# Altium PCB c8t6第二版.PcbDoc
Units mil, origin at the board's own origin, x right, y up, seen from the top; angles counter-clockwise.
Board outline 1960.03 x 3201.64 mil, 2 copper layers (Top Layer, Bottom Layer); 49 components, 55 nets, 229 pads, 60 vias.
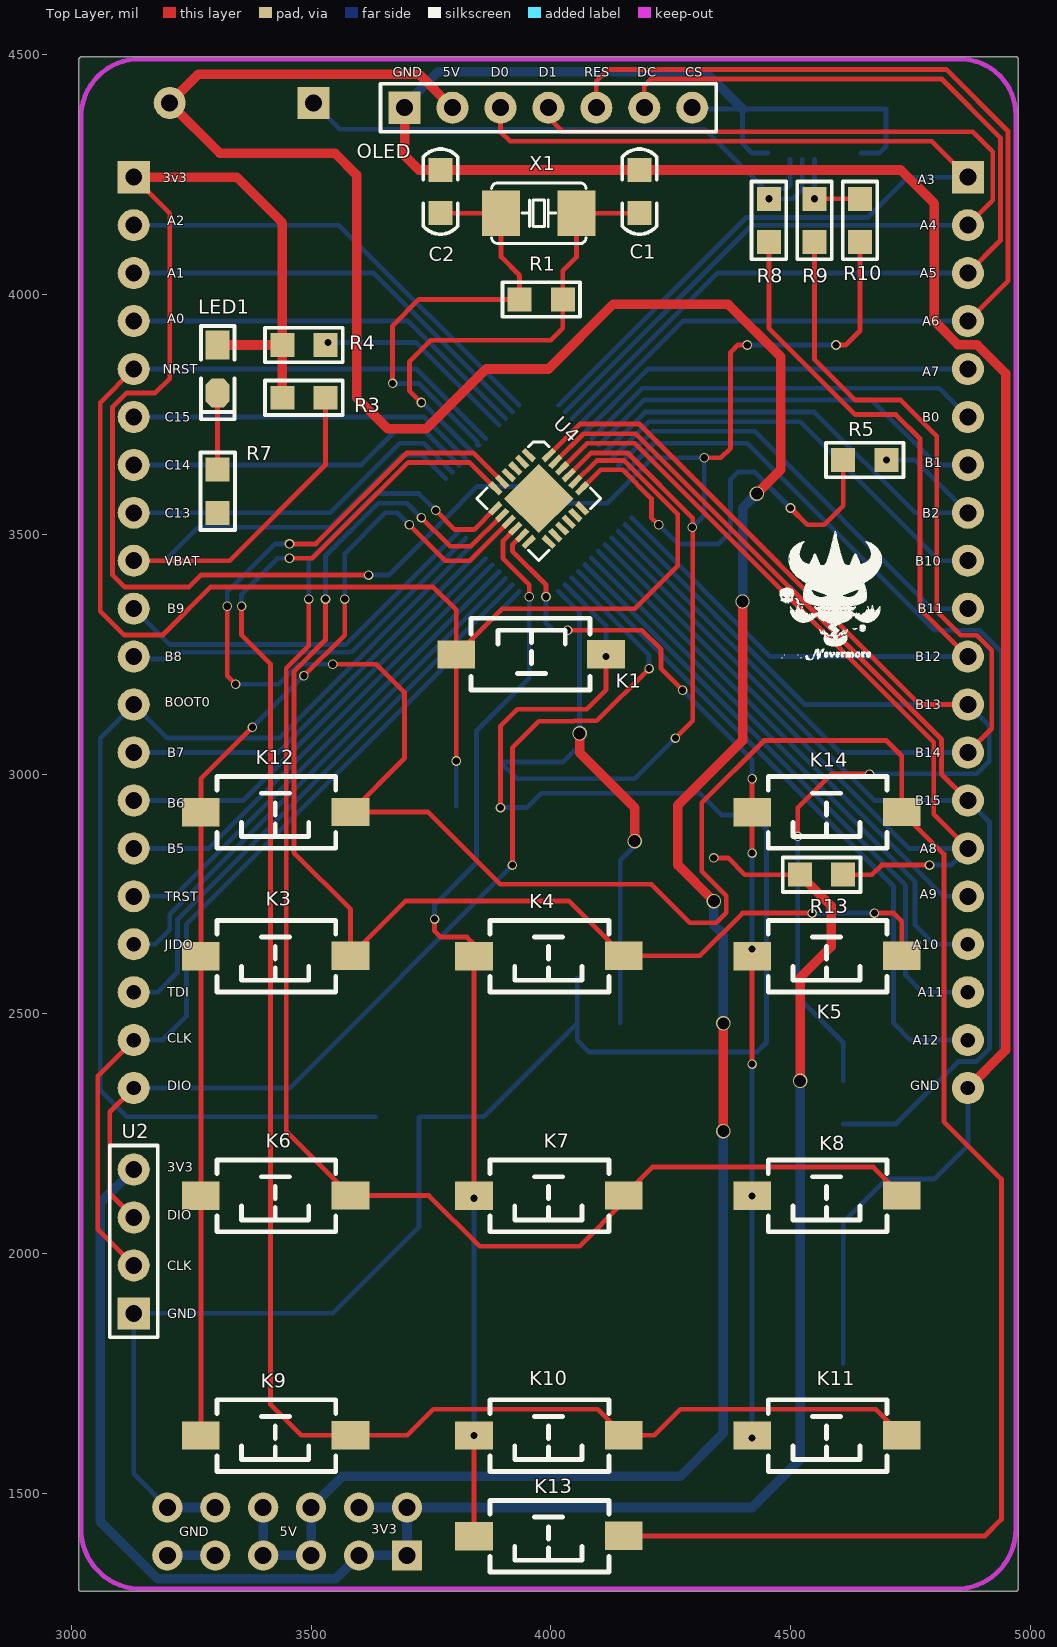
[diagram p0: Top Layer view]
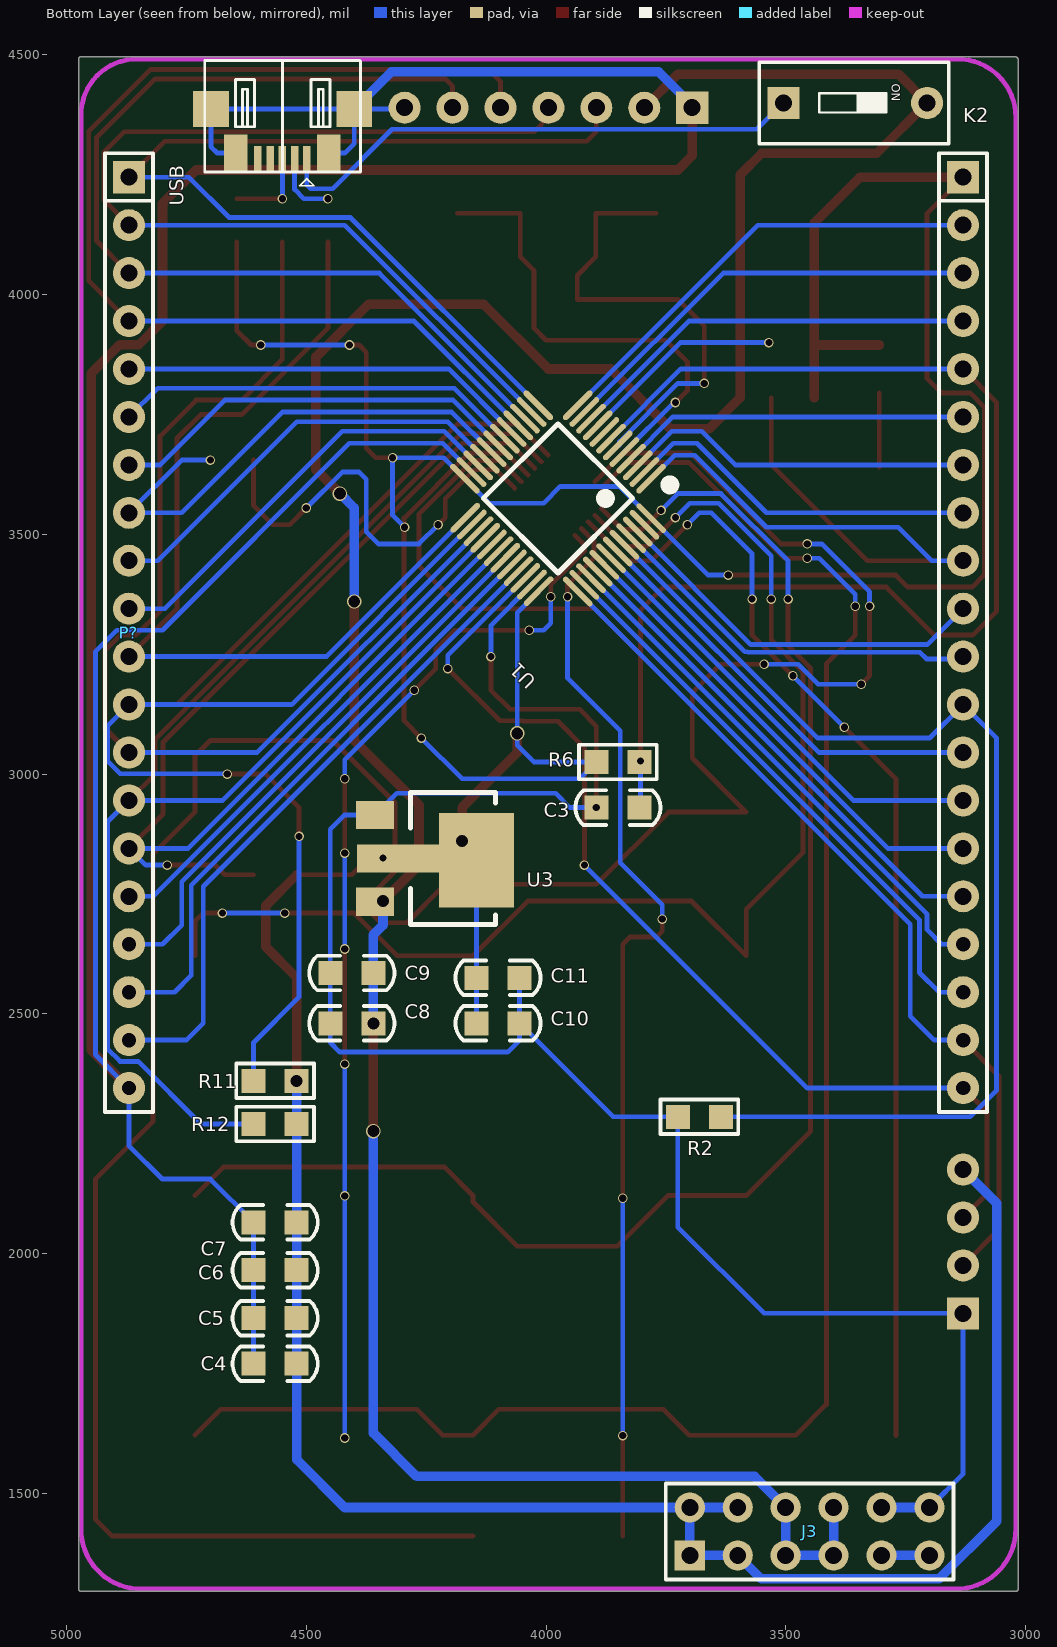
[diagram p1: Bottom Layer view, seen from below]

## Layer stack, top to bottom
Top Solder: solder mask 0.4, Solder Resist, Dk 3.5
Top Layer: signal copper 1.4
Dielectric 1: dielectric 12.6, FR-4, Dk 4.8
Bottom Layer: signal copper 1.4
Bottom Solder: solder mask 0.4, Solder Resist, Dk 3.5

## Board outline
3014.99,1300 3014.99,4490 cw(c3020,4490) 3017.35,4494.26 cw(c3021.61,4491.61) 3021.61,4496.62 4970,4496.62 cw(c4970,4491.61) 4975.02,4491.61 4975.02,1300 cw(c4970,1300) 4970,1294.98 3020,1294.98 cw(c3020,1300)

## Design rules (kind name [scope] priority, off if disabled: settings)
Clearance [All] p1: gap=6 ignorepadtopadclearanceinfootprint=FALSE
PolygonConnect [All] p1: connectstyle=Relief reliefconductorwidth=10 reliefentries=4 polygonreliefangle="90 Angle" airgapwidth=10
RoutingVias [All] p1: holewidth=28 width=50 viastyle="Through Hole" minholewidth=28 minwidth=50 maxholewidth=28 maxwidth=50
SolderMaskExpansion [All] p1: expansion=4
Width [All] p1: maxlimit=20 minlimit=1 preferedwidth=10
30 further rules are at their usual default settings.

## Components (designator, comment, footprint, x,y, rotation, side; value= is the part's Value field where it differs from the comment)
C1 "22pf" "C 0805" 4185,4215 r270 top
C2 "22pf" "C 0805" 3770,4215 r270 top
C3 "104" "C 0805" 3850,2930 r180 bottom locked
C4 "104" "C 0805" 4565,1770 r180 bottom
C5 "104" "C 0805" 4565,1865 r180 bottom
C6 "104" "C 0805" 4565,1965 r180 bottom
C7 "104" "C 0805" 4565,2065 r180 bottom
C8 "10uF" "C 0805" 4405,2480 r180 bottom locked
C9 "104" "C 0805" 4405,2585 r180 bottom locked
C10 "104" "C 0805" 4100,2480 r0 bottom locked
C11 "10uF" "C 0805" 4100,2575 r0 bottom locked
J1 "Header 2X10" HDR-1X20 3130,4245 r270 bottom locked
J3 "Header 6X2" HDR-6X2 3700,1370 r180 bottom
K1 "3x6x5" "TSW SMD-3*6*2.5" 3960,3250 r0 top locked
K2 "KEY_M" "CSW DIP-1P_G" 3355,4400 r270 bottom
K3 "3x6x5" "TSW SMD-3*6*2.5" 3425,2620 r180 top locked
K4 "3x6x5" "TSW SMD-3*6*2.5" 3995,2620 r180 top locked
K5 "3x6x5" "TSW SMD-3*6*2.5" 4575,2620 r180 top locked
K6 "3x6x5" "TSW SMD-3*6*2.5" 3425,2120 r180 top locked
K7 "3x6x5" "TSW SMD-3*6*2.5" 3995,2120 r180 top
K8 "3x6x5" "TSW SMD-3*6*2.5" 4575,2120 r180 top
K9 "3x6x5" "TSW SMD-3*6*2.5" 3425,1620 r180 top locked
K10 "3x6x5" "TSW SMD-3*6*2.5" 3995,1620 r180 top
K11 "3x6x5" "TSW SMD-3*6*2.5" 4575,1620 r180 top
K12 "3x6x5" "TSW SMD-3*6*2.5" 3425,2920 r180 top
K13 "3x6x5" "TSW SMD-3*6*2.5" 3995,1410 r180 top
K14 "3x6x5" "TSW SMD-3*6*2.5" 4575,2920 r180 top
LED1 "红色" "LED 0805G" 3305,3845 r270 top
OLED "OLED" HDR-1X7_M 3695,4390 r0 top
P? "J2" HDR-1X20 4870,4245 r270 bottom locked
R1 "1M" "R 0805" 3980,3990 r0 top
R2 "10K" "R 0805" 3680,2285 r180 bottom
R3 "0" "R 0805" 3485,3785 r180 top
R4 "0" "R 0805" 3485,3895 r180 top
R5 "10K" "R 0805" 4655,3655 r180 top
R6 "10K" "R 0805" 3850,3025 r0 bottom locked
R7 "1K" "R 0805" 3305,3590 r90 top
R8 "22" "R 0805" 4455,4155 r270 top
R9 "22" "R 0805" 4550,4155 r270 top
R10 "1.5K" "R 0805" 4645,4155 r270 top
R11 "4.7K" "R 0805" 4565,2360 r0 bottom
R12 "4.7K" "R 0805" 4565,2270 r0 bottom
R13 "4.7K" "R 0805" 4565,2790 r0 top
U1 "STM32F103C8T6" "LQFP48 7X7_M" 3975,3575 r45 bottom locked
U2 "HDR-1X4" HDR-1X4 3130,1875 r90 top
U3 "LM1117MPX" SOT-223-4 4250.81,2823.94 r0 bottom locked
U4 "TCA8418" QFN24 3974.87,3574.88 r315 top
USB "USB-5P" USB-MICRO_A 4550,4375 r0 bottom
X1 "8MHz" SMD5032-2 3975,4170 r0 top

## Footprints (in the part's own frame and the unit in brackets; to place one, negate y for a bottom-side part, rotate by r counter-clockwise, add the part's x,y. Pads: shape width x height; smd on the part's side, far side on the other; paste and mask are expansions set on the pad)
"C 0805" [mil] "无极性贴片电容"
  rect 50x50 smd: 1(-45,0) 2(45,0)
  silkscreen extent -89,-36 89,36, body extent -39,-24 39,24, height 20
"CSW DIP-1P_G" [mm] "4.1*9.9*7mm"
  rect 1.7x1.7 hole 0.9: 1(0,-3.81)
  round 1.7 hole 0.9: 2(0,3.81)
  silkscreen extent -2.16,-5.08 2.16,4.95, body extent -2.05,-4.95 2.05,4.95, height 6.65
HDR-1X4 [mm] "排针，4脚"
  rect 1.7x1.7 hole 0.9: 1(0,0)
  round 1.7 hole 0.9: 2(2.54,0) 3(5.08,0) 4(7.62,0)
  silkscreen extent -1.27,-1.27 8.89,1.27, body extent -1.27,-1.27 8.89,1.27, height 8.5
HDR-1X7_M [mm] "排母，7脚"
  rect 1.7x1.7 hole 0.9: 1(0,0)
  round 1.7 hole 0.9: 2(2.54,0) 3(5.08,0) 4(7.62,0) 5(10.16,0) 6(12.7,0) 7(15.24,0)
  silkscreen extent -1.27,-1.27 16.51,1.27, body extent -1.27,-1.27 16.51,1.27, height 8.5
HDR-1X20 [mm] "排针，20脚"
  rect 1.7x1.7 hole 0.9: 1(0,0)
  round 1.7 hole 0.9: 2(2.54,0) 3(5.08,0) 4(7.62,0) 5(10.16,0) 6(12.7,0) 7(15.24,0) 8(17.78,0) 9(20.32,0) 10(22.86,0) 11(25.4,0) 12(27.94,0) 13(30.48,0) 14(33.02,0) 15(35.56,0) 16(38.1,0)
  round 1.7 hole 0.762: 17(40.64,0) 18(43.18,0) 19(45.72,0) 20(48.26,0)
  silkscreen extent -1.27,-1.27 49.53,1.27, body extent -1.27,-1.27 49.53,1.27, height 8.5
HDR-6X2 [mm] "双排排针，6x2脚"
  rect 1.6x1.6 hole 0.9: 1(0,0)
  round 1.6 hole 0.9: 2(0,2.54) 3(2.54,0) 4(2.54,2.54) 5(5.08,0) 6(5.08,2.54) 7(7.62,0) 8(7.62,2.54) 9(10.16,0) 10(10.16,2.54) 11(12.7,0) 12(12.7,2.54)
  silkscreen extent -1.27,-1.27 13.97,3.81, body extent -1.27,-1.27 13.97,3.81, height 8.5
"LED 0805G" [mil] "绿色0805LED"
  rect 60x50 smd: 1(-50,0)
  oct 60x50 smd: 2(50,0)
  silkscreen extent -90,-35 105,35, body extent -39,-25 39,25, height 32
"LQFP48 7X7_M" [mm] "48脚，体宽7x7mm，脚距0.5mm"
  oval 0.3x2.1 smd: 1(-2.75,-4.227) 2(-2.25,-4.227) 3(-1.75,-4.227) 4(-1.25,-4.227) 5(-0.75,-4.227) 6(-0.25,-4.227) 7(0.25,-4.227) 8(0.75,-4.227) 9(1.25,-4.227) 10(1.75,-4.227) 11(2.25,-4.227) 12(2.75,-4.227) 25(2.75,4.202) 26(2.25,4.202) 27(1.75,4.202) 28(1.25,4.202) 29(0.75,4.202) 30(0.25,4.202) 31(-0.25,4.202) 32(-0.75,4.202) 33(-1.25,4.202) 34(-1.75,4.202) 35(-2.25,4.202) 36(-2.75,4.202)
  oval 2.1x0.3 smd: 13(4.227,-2.75) 14(4.227,-2.25) 15(4.227,-1.75) 16(4.227,-1.25) 17(4.227,-0.75) 18(4.227,-0.25) 19(4.227,0.25) 20(4.227,0.75) 21(4.227,1.25) 22(4.227,1.75) 23(4.227,2.25) 24(4.227,2.75) 37(-4.227,2.75) 38(-4.227,2.25) 39(-4.227,1.75) 40(-4.227,1.25) 41(-4.227,0.75) 42(-4.227,0.25) 43(-4.227,-0.25) 44(-4.227,-0.75) 45(-4.227,-1.25) 46(-4.227,-1.75) 47(-4.227,-2.25) 48(-4.227,-2.75)
  silkscreen extent -3.93,-4.95 2.79,2.79, body extent -4.5,-4.5 4.5,4.5, height 1.45
QFN24 [mm]
  rect 0.8x0.3 smd: 1(-2,1.25) 2(-2,0.75) 3(-2,0.25) 4(-2,-0.25) 5(-2,-0.75) 6(-2,-1.25) 13(2,-1.25) 14(2,-0.75) 15(2,-0.25) 16(2,0.25) 17(2,0.75) 18(2,1.25)
  rect 0.3x0.8 smd: 7(-1.25,-2) 8(-0.75,-2) 9(-0.25,-2) 10(0.25,-2) 11(0.75,-2) 12(1.25,-2) 19(1.25,2) 20(0.75,2) 21(0.25,2) 22(-0.25,2) 23(-0.75,2) 24(-1.25,2)
  rect 2.6x2.6 smd: 25(0.005,0)
  silkscreen extent -2.32,-2.32 2.32,2.32, body extent -2,-2 2.01,2, height 0.9
"R 0805" [mil] "1/8W贴片电阻"
  rect 50x50 smd: 1(-45,0) 2(45,0)
  silkscreen extent -81,-36 81,36, body extent -39,-25 39,25, height 20
SMD5032-2 [mm]
  rect 2x2.4 smd: 1(-2,0) 2(2,0)
  silkscreen extent -2.5,-1.6 2.5,1.6
SOT-223-4 [mm]
  rect 2x1.5 smd: 1(2.687,-2.3) 3(2.687,2.3)
  rect 4x5 smd: 2(-2.687,0.1)
  rect 5x1.5 smd: 2(1.137,0)
  silkscreen extent -3.69,-3.5 0.81,3.5
"TSW SMD-3*6*2.5" [mm] "3*6*2.5mm"
  rect 2x1.5 smd: 1(-3.996,-0.02) 2(3.937,0)
  silkscreen extent -3.21,-1.9 3.09,1.9, body extent -4,-1.88 4,1.62, height 2.59
USB-MICRO_A [mm] "micro型USB ，5.9*8.2*2.5mm"
  rect 0.4x1.4 smd: 1(-1.296,2.355) 2(-0.648,2.355) 3(0,2.355) 4(0.648,2.355) 5(1.295,2.355)
  rect 1.9x1.9 smd: 5(-3.81,-0.312) 5(3.784,-0.312)
  rect 1.25x2 smd: 5(-2.464,2.025) 5(2.464,2.025)
  silkscreen extent -4.14,-2.89 4.11,3.75, body extent -3.98,-2.77 3.98,2.65, height 2.69

## Part data
C1 C2 C3 C4 C5 C6 C7: library part C, "无极性贴片电容", BOM名称=无极性贴片电容, 学习资源=www.ooocke.com, 版权归属=源创客
C8 C9 C10 C11: library part C
J1: library part "Header 10X2", "10*2P接插件", BOM名称=10*2P接插件, 学习资源=www.ooocke.com, 版权归属=源创客
J3: library part "Header  6X2", "6*2P接插件", BOM名称=6*2P接插件, 学习资源=www.ooocke.com, 版权归属=源创客
K1 K3 K4 K5 K6 K7 K8 K9 K10 K11 K12 K13 K14: library part "TSW 3x6", "3x6轻触开关", BOM名称=3x6轻触开关, 学习资源=www.ooocke.com, 版权归属=源创客
LED1: library part LED-SMD, "贴片LED", BOM名称=贴片LED, 学习资源=www.ooocke.com, 版权归属=源创客
P?: library part "Header 10X2", "Header, 10-Pin, Dual row", LatestRevisionDate=17-Jul-2002, LatestRevisionNote="Re-released for DXP Platform.", Publisher="Altium Limited"
R1: library part R-CRR, "直插色环电阻", BOM名称=色环电阻, 学习资源=www.ooocke.com, 版权归属=源创客
R2 R3 R4 R5 R6 R7 R11 R12 R13: library part R, "贴片电阻", BOM名称=贴片电阻, 学习资源=www.ooocke.com, 版权归属=源创客
R8 R9 R10: library part R
U1: "Flaah:64/RAM:20/IO:36", BOM名称=32位STM单片机, 学习资源=www.ooocke.com, 版权归属=源创客
U2: library part "Header 4", "4P接插件", BOM名称=4P接插件, 学习资源=www.ooocke.com, 版权归属=源创客
U3: "NS 800mA Low-Dropout Linear Regulator"
U4: library part Component_1
USB: "微型USB母座", BOM名称=微型USB母座, 学习资源=www.ooocke.com, 版权归属=源创客
X1: library part XTAL-2, "2脚晶振", BOM名称=2脚晶振, 学习资源=www.ooocke.com, 版权归属=源创客

## Via types
v1: diameter 20, hole 15, Top Layer to Bottom Layer, 52 vias
v2: diameter 30, hole 25, Top Layer to Bottom Layer, 8 vias

## Nets (pads, with @x,y where several pads share a name; then routed paths per layer and width w, separated by ;. In a path a pad name is that pad's centre, name@x,y a point inside that pad or via, vN(x,y) a via of type N, cw(c..) or ccw(c..) an arc to the next point about the centre after c; other vN are vias at no path point)
3V3: C4.2 C5.2 C6.2 C7.2 C10.2 C11.2 J1.1 J3.1 J3.2 J3.3 J3.4 LED1.1 R3.2 R4.2 R6.2 R10.2 R11.1 R12.1 R13.1 U1.24 U1.36 U1.48 U2.4 U3.2 U4.21 | length 10482.5
  Top Layer w10: J1.1 3205,4170 3205,3825 3175,3795 3115,3795 3085.54,3765.54 3085.54,3415.51 3111.05,3390 3245,3390 3270,3415 v1(3620,3415) ; U4.21 4083.91,3670 4160,3670 4296,3534 4296,3111 v1(4260,3075) ; v1(4320,3660) 4355,3660 4375,3680 4375,3880 4390,3895 v1(4410,3895) ; v1(4340,2825) 4370,2825 4405,2790 R13.1 ; v1(4595,3895) 4615,3895 4645,3925 R10.2
  Top Layer w20: J1.1 3345,4245 3440,4150 R4.2 ; LED1.1 R4.2 ; R3.2 R4.2 ; v2(4060,3085) 4060,3045 4175,2930 v2(4175,2860) ; v2(4520,2360) 4520,2575 4585,2640 4585,2725 R13.1
  Bottom Layer w10: v1(3620,3415) 3661.89,3415 U1.48 3846.89,3600 3970,3600 4005,3565 4118.11,3565 U1.24 4213.11,3660 v1(4320,3660) 4320,3540 v1(4295,3515) ; U1.36 4060,3336.89 v2(4060,3085) 4060,3060 4025,3025 R6.2 3930,2990 4175,2990 v1(4260,3075) ; C10.2 C11.2 4145,2820 4175,2850 v2(4175,2860) ; v1(4410,3895) v1(4595,3895)
  Bottom Layer w20: U2.4 3060,2105 3060,1441.2 3179.78,1321.41 3186.56,1321.41 3186.98,1321 3551,1321 J3.3 J3.1 J3.2 ; J3.4 J3.2 ; v2(4520,2360) R12.1 C7.2 C6.2 C5.2 C4.2 4520,1570 4420,1470 J3.2
5V: C8.2 C9.2 J3.5 J3.6 J3.7 J3.8 K2.2 OLED.2 U3.3 | length 6223.8
  Top Layer w20: OLED.2 3725,4460 3265,4460 K2.2 3310,4295 3550,4295 3595,4250 3595,3785 3660,3720 3740,3720 3865,3845 3995,3845 4130,3980 4370,3980 4480,3870 4480,3635 v2(4430,3585) ; v2(4340,2735) 4265,2810 4265,2935 4400,3070 v2(4400,3360) ; v2(4360,2255) v2(4360,2480)
  Bottom Layer w20: J3.8 J3.7 J3.5 J3.6 3565,1535 4270,1535 4360,1625 v2(4360,2255) ; v2(4340,2735) 4340,2685 4360,2665 C9.2 v2(4360,2480) ; v2(4400,3360) 4400,3555 v2(4430,3585)
BOOT0: J1.12 R2.2 U1.44 | length 2334.2
  Bottom Layer w10: R2.2 3115,2285 3060,2340 3060,3075 J1.12 3200,3075 3433.24,3075 U1.44
CLK: J1.19 U1.37 U2.2 | length 1836
  Top Layer w10: U2.2 3055,2050 3055,2370 J1.19
  Bottom Layer w10: J1.19 3190,2445 3240,2495 3240,2686.89 U1.37
DIO: J1.20 U1.34 U2.3 | length 2148.7
  Top Layer w10: U2.3 3080,2125 3080,2295 J1.20 ; v1(3920,2810) 3920,3055 3975,3110 4048.23,3110 4049.23,3111 4096,3111 v1(4205,3220)
  Bottom Layer w10: J1.20 3455,2345 v1(3920,2810) ; U1.34 4205,3247.56 v1(4205,3220)
GND: C1.1 C2.1 C3.1 C4.1 C5.1 C6.1 C7.1 C8.1 C9.1 C10.1 C11.1 J3.9 J3.10 J3.11 J3.12 K1.2 OLED.1 OLED.7 P?.20 R2.1 R5.2 R7.1 U1.8 U1.23 U1.35 U1.47 U2.1 U3.1 U4.19 USB.5 | length 12470.4
  Top Layer w10: v1(3895,2930) 3895,3100 3930,3135 4075,3135 4115,3175 v1(4115,3245) K1.2 ; U4.19 4104.59,3635 4149.75,3635 4210,3574.75 4210,3535 v1(4225,3520) ; v1(4500,3555) 4535,3520 4570,3520 4610,3560 R5.2
  Top Layer w20: OLED.1 3695,4290 3725,4260 C2.1 C1.1 4730,4260 4800,4190 4800,3945.05 4849.51,3895.54 4889.42,3895.54 4949,3835.95 4949,2424 P?.20
  Bottom Layer w10: J3.12 3130,1540 U2.1 3545,1875 3725,2055 R2.1 3860,2285 C10.1 ; v1(3895,2930) 3950,2930 3980,2960 4311.1,2960 U3.1 4420.51,2914.49 4450,2885 C9.1 C8.1 4450,2440 4430,2420 4080,2420 4055,2445 C10.1 ; U1.35 4115,3309.73 v1(4115,3245) ; C11.1 C10.1 ; U1.23 4215.27,3690 4410,3690 4800,3300 4895,3300 4940,3255 4940,2415 P?.20 4870,2225 4800,2155 4700,2155 C7.1 C6.1 C5.1 C4.1 ; v1(4225,3520) 4265,3480 4350,3480 4375,3505 4375,3615 4390,3630 4425,3630 v1(4500,3555) ; OLED.7 4297.72,4387.28 USB.5@4399.99,4387.28 ; USB.5@4452.99,4295.28 4419.72,4295.28 4399.99,4315.01 USB.5@4399.99,4387.28 ; USB.5@4646.99,4295.28 4685.28,4295.28 4698.99,4308.99 4698.99,4387.28 USB.5@4399.99,4387.28
  Bottom Layer w20: J3.11 J3.9 ; J3.12 J3.10 ; OLED.1 3695,4395 3765,4465 4322.27,4465 USB.5@4399.99,4387.28
JTDO/PB3: J1.17 U1.39 | length 1111.4
  Bottom Layer w10: J1.17 3175,2645 3205,2675 3205,2707.56 U1.39
NetK2_1: K2.1 USB.1 | length 1124.7
  Bottom Layer w10: K2.1 3560,4345 4321.26,4345 4445.26,4221 4491,4221 4498.99,4228.99 USB.1
NetK3_1: K3.1 K4.1 K5.1 U4.8 | length 2749.3
  Top Layer w10: v1(3530,3365) 3530,3279.7 3464,3213.7 3464,2836 3582.31,2717.69 K3.1 3696.53,2735 4038.1,2735 K4.1 4310.79,2620.79 4400,2710 v1(4545,2710) ; v1(3730,3535) 3790,3475 3833.23,3475 U4.8 ; v1(4675,2710) 4715,2710 4732.31,2692.69 K5.1
  Bottom Layer w10: v1(3530,3365) 3530,3455 3640,3565 3700,3565 v1(3730,3535) ; v1(4545,2710) v1(4675,2710)
NetK3_2: K3.2 K6.2 K9.2 K12.2 U4.9 | length 2416.7
  Top Layer w10: K9.2 K6.2 K3.2 K12.2 3270,2990 v1(3377.5,3097.5) ; v1(3485,3205) 3570,3290 v1(3570,3365) ; v1(3705,3520) 3780,3445 3831.07,3445 U4.9
  Bottom Layer w10: v1(3377.5,3097.5) v1(3485,3205) ; v1(3570,3365) 3570,3460 3655,3545 3680,3545 v1(3705,3520)
NetK4_2: K4.2 K7.2 K10.2 K13.2 U4.10 | length 2284
  Top Layer w10: v1(3757.5,2697.5) 3757.5,2672.5 3770,2660 3825,2660 3840,2645 K4.2 K7.2 v1(3840,2115) ; K13.2 v1(3840,1620) ; U4.10 3900,3486.09 3900,3450 3955,3395 v1(3955,3370)
  Bottom Layer w10: v1(3757.5,2697.5) 3757.5,2727.5 3845,2815 3845,3090 3955,3200 v1(3955,3370) ; v1(3840,1620) v1(3840,2115)
NetK5_2: K5.2 K8.2 K11.2 K14.2 U4.11 | length 2207.1
  Top Layer w10: U4.11 3920,3478.25 3920,3465 3990,3395 v1(3990,3370) ; v1(4035,3300) 4190,3300 4230,3260 4230,3220 v1(4275,3175) ; v1(4420,2395) K5.2 v1(4420,2635) ; v1(4420,2835) K14.2 v1(4420,2990)
  Bottom Layer w10: v1(3990,3370) 3990,3315 4005,3300 v1(4035,3300) ; v1(4275,3175) 4420,3030 v1(4420,2990) ; v1(4420,1615) v1(4420,2120) v1(4420,2395) ; v1(4420,2635) v1(4420,2835)
NetK6_1: K6.1 K7.1 K8.1 U4.7 | length 3190.6
  Top Layer w10: v1(3495,3365) 3495,3267.33 3448,3220.33 3448,2255.1 K6.1 3745.79,2120.79 3851.57,2015 4060,2015 4152.31,2107.31 K7.1 4211.53,2180 4673.1,2180 K8.1 ; v1(3760,3550) 3800,3510 3840.39,3510 U4.7
  Bottom Layer w10: v1(3495,3365) 3495,3445 3635,3585 3725,3585 v1(3760,3550)
NetK9_1: K9.1 K10.1 K11.1 U4.6 | length 3814.4
  Top Layer w10: v1(3355,3350) 3355,3290 3415,3230 3415,1685 3479.21,1620.79 K9.1 3700.79,1620.79 3755,1675 4098.1,1675 K10.1 4215.79,1620.79 4270,1675 4678.1,1675 K11.1 ; v1(3455,3450) 3502.63,3450 3702.63,3650 3830.14,3650 U4.6
  Bottom Layer w10: v1(3355,3350) 3355,3375 3430,3450 v1(3455,3450)
NetK12_1: K12.1 K13.1 K14.1 U4.5 | length 5711.4
  Top Layer w10: v1(3325,3350) 3325,3205 v1(3342.5,3187.5) ; v1(3455,3480) 3510,3480 3700,3670 3837.98,3670 U4.5 ; v1(3545,3229) 3636,3229 3695,3170 3695,3033.47 K12.1 3744.21,2920.79 3895,2770 4210,2770 4290,2690 4345,2690 4366,2711 4366,2745.77 4315,2796.77 4315,2940 4445,3070 4700,3070 4732.31,3037.69 K14.1 4820,2833.1 4820,2275 4940,2155 4940,1445 4905.79,1410.79 K13.1
  Bottom Layer w10: v1(3325,3350) 3325,3380 3425,3480 v1(3455,3480) ; v1(3342.5,3187.5) 3432.5,3187.5 3474,3229 v1(3545,3229)
NetLED1_2: LED1.2 R7.2 | length 155
  Top Layer w10: R7.2@3305,3640 LED1.2
NetR8_1: R8.1 USB.2 | length 140.4
  Bottom Layer w10: v1(4455,4200) 4505,4200 4524.49,4219.49 USB.2
NetR9_1: R9.1 R10.1 USB.3 | length 177.3
  Top Layer w10: v1(4550,4200) R10.1
  Bottom Layer w10: v1(4550,4200) USB.3
NRST: C3.2 J1.5 K1.1 R6.1 U1.7 U4.20 | length 3487.5
  Top Layer w10: J1.5 3060,3775 3060,3340 3110,3290 3190,3290 3290,3390 3755,3390 3802.69,3342.31 K1.1 ; v1(3802.69,3027.31) K1.1 ; U4.20 4095.75,3654 4153.37,3654 4265,3542.37 4265,3435 4175,3345 3898.47,3345 K1.1
  Bottom Layer w10: J1.5 3718.92,3845 U1.7 ; C3.2@3802.69,2932.69 v1(3802.69,3027.31)
OSC_IN: C1.2 R1.2 U1.5 X1.2 | length 973.5
  Top Layer w10: v1(3730,3775) 3705,3800 3705,3860 3750,3905 4000,3905 4025,3930 R1.2 4025,4050 4053.74,4078.74 X1.2 C1.2
  Bottom Layer w10: v1@3733.24,3775 U1.5
OSC_OUT: C2.2 R1.1 U1.6 X1.1 | length 968.6
  Top Layer w10: v1(3670,3815) 3670,3935 3725,3990 R1.1 3935,4040 3896.26,4078.74 X1.1 C2.2
  Bottom Layer w10: v1(3670,3815) 3725.01,3815 3846.43,3693.58 3846.43,3685.72 U1.6
PA0: J1.4 U1.10 | length 860.4
  Bottom Layer w10: J1.4 3702.44,3945 U1.10
PA1: J1.3 U1.11 | length 910
  Bottom Layer w10: J1.3 3630.27,4045 U1.11
PA2: J1.2 U1.12 | length 959.5
  Bottom Layer w10: J1.2 3558.11,4145 U1.12
PA3: OLED.3 P?.1 U1.13 | length 2115.3
  Top Layer w10: OLED.3 3895,4340 3915,4320 4795,4320 P?.1
  Bottom Layer w10: U1.13 4407.89,4161 4661,4161 4745,4245 P?.1
PA4: OLED.4 P?.2 U1.14 | length 2152.7
  Top Layer w10: OLED.4 3995,4370 4025,4340 4880,4340 4922,4298 4922,4197 P?.2
  Bottom Layer w10: U1.14 4419.73,4145 P?.2
PA5: OLED.6 P?.3 U1.15 | length 2109.1
  Top Layer w10: OLED.6 4195,4435 4210,4450 4815,4450 4938,4327 4938,4113 P?.3 P?.3@4872,4045
  Bottom Layer w10: U1.15 4347.56,4045 P?.3
PA6: OLED.5 P?.4 U1.16 | length 2310.8
  Top Layer w10: OLED.5 4095,4445 4120,4470 4825,4470 4953.72,4341.28 4953.72,4339.69 4954,4339.41 4954,4029 P?.4
  Bottom Layer w10: U1.16 4275.4,3945 P?.4
PA7: P?.5 U1.17 | length 852.7
  Bottom Layer w10: U1.17 4203.24,3845 P?.5
PA8: P?.15 R13.2 U1.29 U4.22 | length 2608.5
  Top Layer w10: U4.22 4076.07,3690 4175,3690 4799,3066 4799,2916 P?.15 ; R13.2 4670,2790 4690,2810 v1(4790,2810)
  Bottom Layer w10: U1.29 4746.76,2845 P?.15 4835,2810 v1(4790,2810)
PA9: P?.16 U1.30 | length 1069.3
  Bottom Layer w10: U1.30 4818.92,2745 P?.16
PA10: P?.17 U1.31 | length 1172.2
  Bottom Layer w10: U1.31 4085.01,3449.99 4760,2775 4760,2685 4800,2645 P?.17
PA11: P?.18 U1.32 | length 1278.7
  Bottom Layer w10: U1.32 4740,2768.24 4740,2580 4775,2545 P?.18
PA12: P?.19 U1.33 | length 1385.2
  Bottom Layer w10: U1.33 4715,2765.4 4715,2480 4750,2445 P?.19
PB0: P?.6 U1.18 | length 852.8
  Bottom Layer w10: U1.18 4191.08,3805 4810,3805 P?.6
PB1: P?.7 U1.19 | length 865.3
  Bottom Layer w10: U1.19 4193.92,3780 4670,3780 4805,3645 P?.7
PB2: P?.8 R5.1 U1.20 | length 1093.5
  Bottom Layer w10: U1.20 4196.76,3755 4550,3755 4760,3545 P?.8 4760,3655 v1(4700,3655)
PB5: J1.15 U1.41 | length 993.2
  Bottom Layer w10: J1.15 3286.76,2845 U1.41
PB6: J1.14 U1.42 | length 943.6
  Bottom Layer w10: J1.14 3358.92,2945 U1.42
PB7: J1.13 U1.43 | length 894
  Bottom Layer w10: J1.13 3431.08,3045 U1.43
PB8: J1.11 U1.45 | length 813.2
  Bottom Layer w10: J1.11@3140,3255 J1.11 3135,3240 3206,3240 3220,3254 3579.19,3254 3580.19,3255 3585.4,3255 U1.45
PB9: J1.10 U1.46 | length 807.4
  Bottom Layer w10: J1.10 3205,3270 3572.56,3270 U1.46
PB10: P?.9 U1.21 | length 894.6
  Bottom Layer w10: U1.21 4204.6,3735 4520,3735 4810,3445 P?.9
PB11: P?.10 U1.22 | length 911.3
  Bottom Layer w10: U1.22 4212.44,3715 4425,3715 4795,3345 P?.10
PB12: P?.11 R8.2 U1.25 | length 1908.1
  Top Layer w10: R8.2 4455,3930 4635,3750 4720,3750 4770,3700 4770,3345 P?.11
  Bottom Layer w10: U1.25 4458.11,3245 P?.11
PB13: P?.12 R11.2 U1.26 U4.24 | length 3200
  Top Layer w10: U4.24 4060.39,3730 4185,3730 4770,3145 P?.12 ; v1(4515,2870) 4515,2930 4585,3000 v1(4665,3000)
  Bottom Layer w10: U1.26 4530.27,3145 P?.12 4914.46,3100.54 4914.46,3026.58 4888.42,3000.54 4665.54,3000.54 v1(4665,3000) ; v1(4515,2870) 4515,2535 4610,2440 R11.2
PB14: P?.13 R9.2 U1.27 | length 2234.5
  Top Layer w10: R9.2 4550,3865 4635,3780 4730,3780 4805,3705 4805,3340 4855.54,3289.46 4888.42,3289.46 4920,3257.88 4920,3095 P?.13
  Bottom Layer w10: U1.27 4602.44,3045 P?.13
PB15: P?.14 R12.2 U1.28 U4.23 | length 3120.8
  Top Layer w10: U4.23 4068.23,3710 4177.63,3710 4815,3072.63 4815,3000 P?.14
  Bottom Layer w10: U1.28 4674.6,2945 P?.14 4915,2900 4915,2427.12 4888.42,2400.54 4850.54,2400.54 4720,2270 R12.2
PC13: J1.8 U1.2 | length 749.6
  Bottom Layer w10: J1.8 3540,3545 3685,3690 3734.73,3690 U1.2
PC14: J1.7 U1.3 | length 737
  Bottom Layer w10: J1.7 3605,3645 3675,3715 3737.56,3715 U1.3
PC15: J1.6 U1.4 | length 728.6
  Bottom Layer w10: J1.6 3735.4,3745 U1.4
TDI: J1.18 U1.38 | length 1206.2
  Bottom Layer w10: J1.18 3180,2545 3221,2586 3221,2695.73 U1.38
TRST: J1.16 U1.40 | length 1042.8
  Bottom Layer w10: J1.16 3214.6,2745 U1.40
VBAT: J1.9 R3.1 U1.1 | length 1385
  Top Layer w10: J1.9 3330,3445 3530,3645 R3.1
  Bottom Layer w10: J1.9 3195,3445 3265,3515 3540,3515 3690,3665 3731.89,3665 U1.1
VDDA: R4.1 U1.9 | length 428.6
  Bottom Layer w10: v1(3535,3900) 3719.6,3900 U1.9
pads on no net: U4.1 U4.2 U4.3 U4.4 U4.12 U4.13 U4.14 U4.15 U4.16 U4.17 U4.18 U4.25 USB.4

## Keep-outs
Keep-Out Layer:
  lines w10: 3020,1425 ccw(c3145,1425) 3145,1300 4845,1300 ccw(c4845,1425) 4970,1425 4970,4375 ccw(c4853.39,4375) 4853.39,4491.61 3141.61,4491.61 ccw(c3141.61,4370) 3020,4370 3020,1425

## Silkscreen, mask and mechanical layers (free items; w line width, h text height)
Top Overlay:
  drawing of 1886 lines, arcs and shapes, not listed
  text "GND" at 3670,4455 h20
  text "5V" at 3775,4455 h20
  text "D0" at 3875,4455 h20
  text "D1" at 3975,4455 h20
  text "RES" at 4070,4455 h20
  text "DC" at 4180,4455 h20
  text "CS" at 4280,4455 h20
  text "3v3" at 3190,4235 h20
  text "A3" at 4765,4230 h20
  text "A2" at 3200,4145 h20
  text "A4" at 4770,4135 h20
  text "A1" at 3200,4035 h20
  text "A5" at 4770,4035 h20
  text "A0" at 3200,3940 h20
  text "A6" at 4775,3935 h20
  text "NRST" at 3190,3835 h20
  text "A7" at 4775,3830 h20
  text "C15" at 3195,3735 h20
  text "B0" at 4775,3735 h20
  text "B1" at 4780,3640 h20
  text "C14" at 3195,3635 h20
  text "C13" at 3195,3535 h20
  text "B2" at 4775,3535 h20
  text "VBAT" at 3195,3435 h20
  text "B10" at 4760,3435 h20
  text "B9" at 3200,3335 h20
  text "B11" at 4765,3335 h20
  text "B8" at 3195,3235 h20
  text "B12" at 4760,3235 h20
  text "BOOT0" at 3195,3140 h20
  text "B13" at 4760,3135 h20
  text "B7" at 3200,3035 h20
  text "B14" at 4760,3035 h20
  text "B15" at 4760,2935 h20
  text "B6" at 3200,2930 h20
  text "B5" at 3200,2835 h20
  text "A8" at 4770,2835 h20
  text "A9" at 4770,2740 h20
  text "TRST" at 3195,2735 h20
  text "JIDO" at 3195,2635 h20
  text "A10" at 4755,2635 h20
  text "TDI" at 3200,2535 h20
  text "A11" at 4765,2535 h20
  text "CLK" at 3200,2440 h20
  text "A12" at 4755,2435 h20
  text "DIO" at 3200,2340 h20
  text "GND" at 4750,2340 h20
  text "3V3" at 3200,2170 h20
  text "DIO" at 3200,2070 h20
  text "CLK" at 3200,1965 h20
  text "GND" at 3200,1865 h20
  text "3V3" at 3625,1415 h20
  text "GND" at 3225,1410 h20
  text "5V" at 3435,1410 h20

## Text inside footprints (layer, text, board x,y; h text height)
K2: Bottom Overlay "ON" at 3285,4440 h30 r90